# Allegro board HB1A-AAFM.brd (continued)
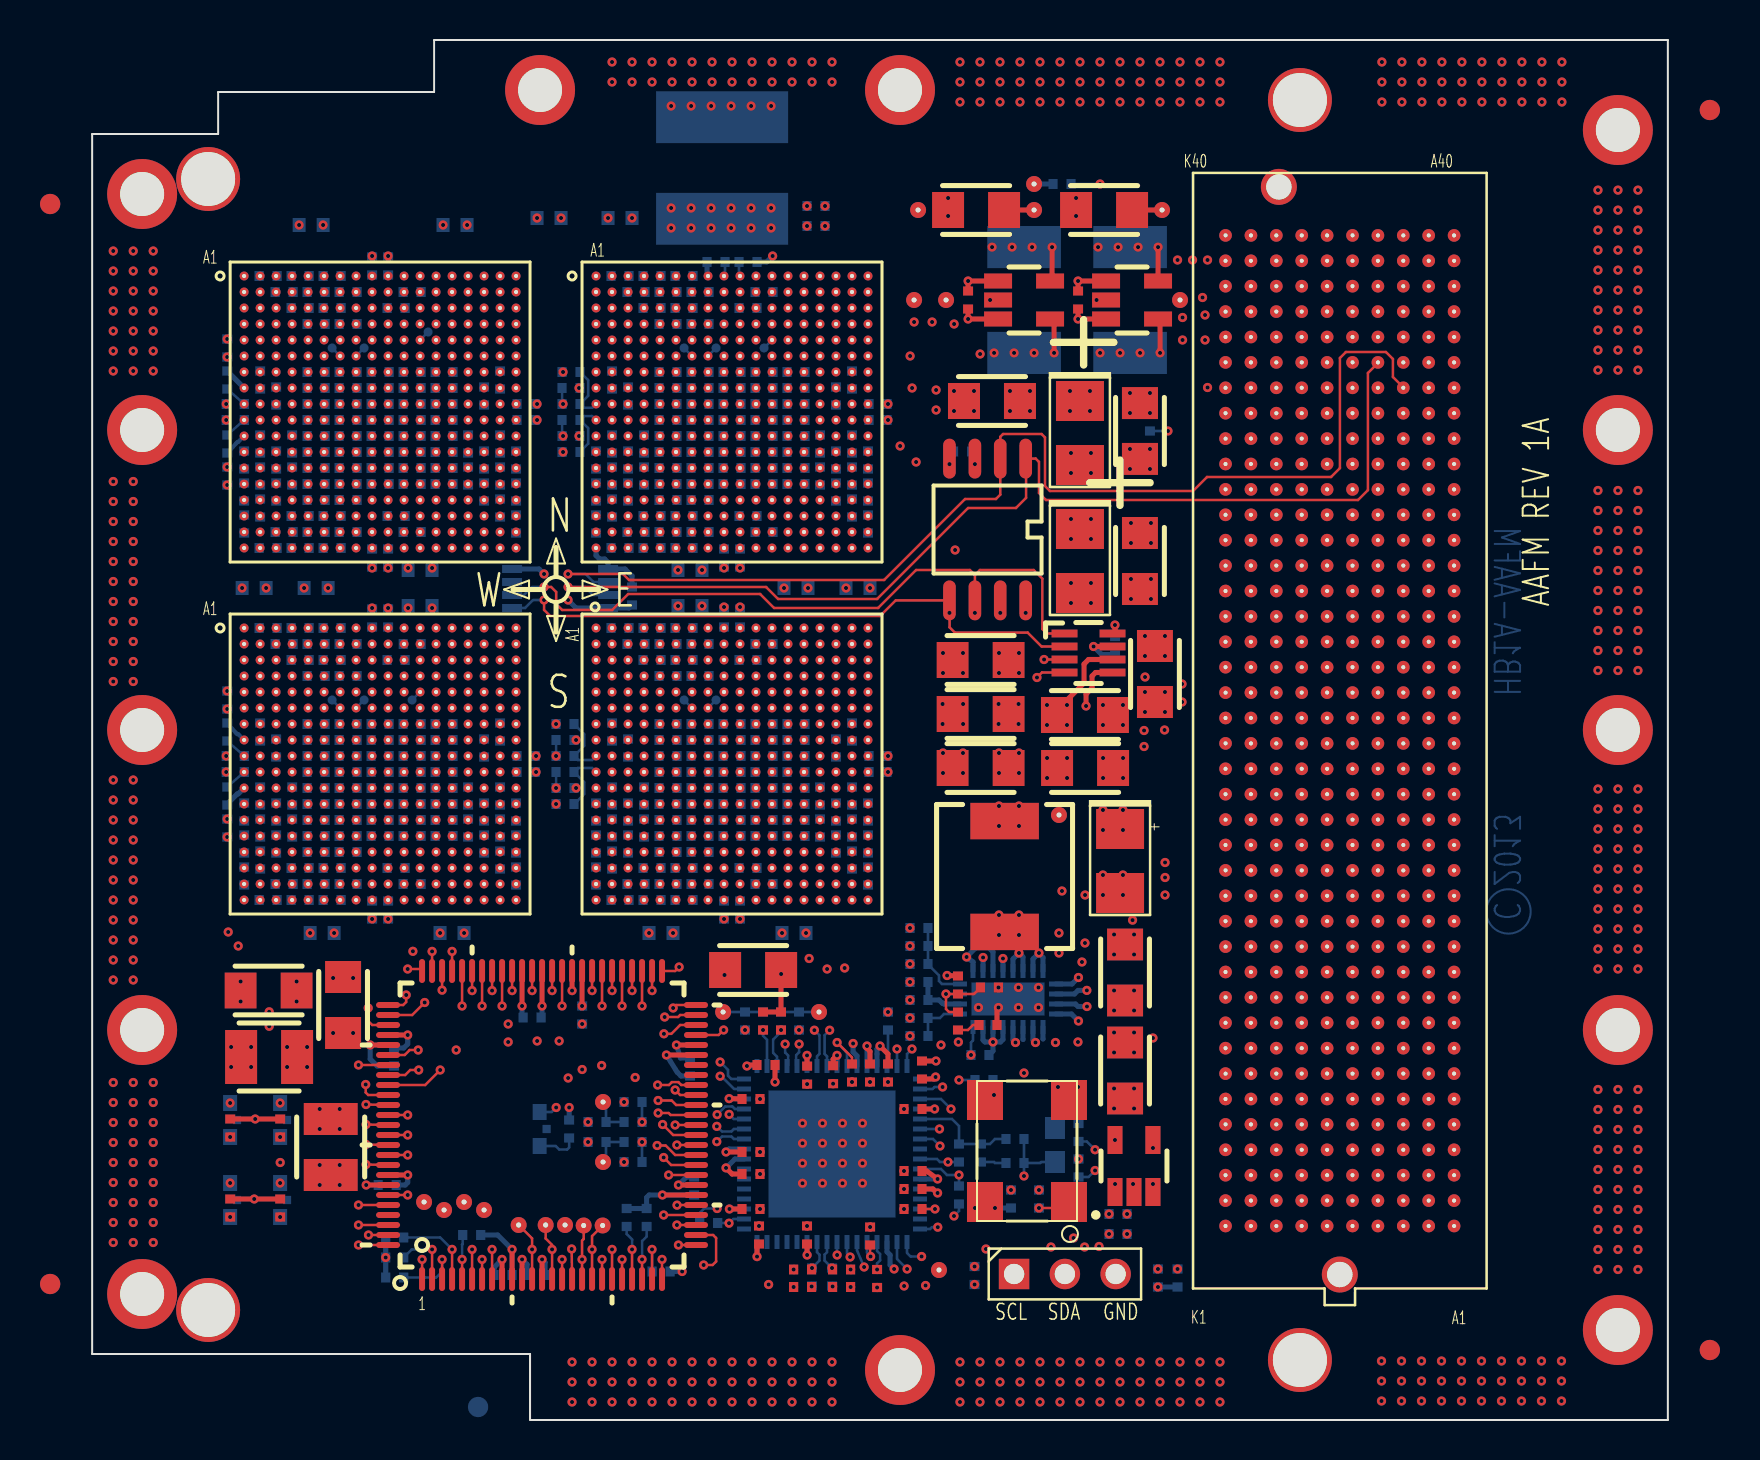
[diagram p0: board, top side]
## Routing (per net, layer and track width the routed paths; a pad name or vN(x,y) marks a point on that pad's centre or on a via; arc(x,y) is an arc through that point) (continued)
LL_LR_EW_DATA_N_6: length 28.5
  SIGNAL_L5-X w0.114: U8.N3 26.4,30.4 26.4,31.68 26.4,35 26.6,35.2 27,35.2 27.2,35 27.2,34.6 27.4,34.4 27.8,34.4 28,34.2 28,33 28.2,32.8 28.6,32.8 28.8,32.6 28.8,32.2 29,32 29.4,32 29.6,32.2 29.6,33.4 29.4,33.6 29,33.6 28.8,33.8 28.8,34.2 28.6,34.4 28.2,34.4 28.02,34.59 28.02,34.98 27.8,35.2 27.4,35.2 27.2,35.4 27.2,35.8 27,36 26.6,36 26.4,36.2 26.4,36.6 26.2,36.8 25.8,36.8 25.6,37 25.6,37.4 25.4,37.6 25,37.6 24.7,37.3 24.5,37.3 24.4,37.4 24.4,39.17 24.38,39.19 ; 24.38,39.19 23.67,39.9 22.72,39.9 21.94,39.12 21.94,38.14 21.4,37.6 20.8,37.6 U7.C17 ; 24.38,39.19 24.24,39.33
LL_LR_EW_DATA_N_7: length 29.2
  SIGNAL_L5-X w0.114: U8.M4 28,30.6 28.2,30.4 28.6,30.4 28.8,30.2 28.8,29.8 29,29.6 31,29.6 31.2,29.4 31.2,28.2 31.4,28 31.8,28 32,28.2 32,29.4 32.2,29.6 32.6,29.6 32.8,29.8 32.8,31.8 32.6,32 32.2,32 32,32.2 32,32.6 31.8,32.8 31.4,32.8 31.2,33 31.2,33.4 31,33.6 30.6,33.6 30.4,33.8 30.4,34.2 30.2,34.4 29.8,34.4 29.6,34.6 29.6,35 29.4,35.2 29,35.2 28.8,35.4 28.8,35.8 28.6,36 28.2,36 28,36.2 28,36.6 27.8,36.8 27.4,36.8 27.2,37 27.2,37.4 27,37.6 26.6,37.6 26.4,37.8 26.4,38.2 26.2,38.4 25.8,38.4 25.6,38.6 25.6,39 25.4,39.2 25,39.2 24.5,39.7 24.5,40 24,40.5 22.4,40.5 21.7,39.8 21.7,39.5 21.5,39.3 21.5,39.1 U7.B18
LL_LR_EW_DATA_P_0: length 29.3
  SIGNAL_L5-X w0.114: U7.H15 19.2,33.6 21.4,33.6 21.59,33.41 21.59,30.59 21.4,30.4 21.01,30.4 20.8,30.19 20.8,29.8 21,29.6 21.38,29.6 21.59,29.4 21.59,28.98 21.4,28.8 21,28.8 20.8,28.6 20.8,28.2 21,28 21.38,28 21.59,27.8 21.59,27.39 21.4,27.2 21,27.2 20.8,27 20.8,26.6 21,26.4 21.38,26.4 21.59,26.2 21.59,25.8 21.4,25.61 20.37,25.61 20.2,25.45 20.2,25.2 20.35,25.05 22.15,25.05 22.25,24.95 22.25,24.75 22.15,24.65 20.35,24.65 20.21,24.51 20.21,24.34 20.35,24.2 24.6,24.2 24.9,24.5 24.9,25.05 25,25.15 25.25,25.15 25.35,25.25 25.35,25.45 25.2,25.6 24.95,25.6 24.8,25.75 24.8,27.2 U8.T1
LL_LR_EW_DATA_P_1: length 29
  SIGNAL_L5-X w0.114: U7.G16 19.2,35.2 17.8,35.2 17.6,35 17.6,32.2 17.8,32 19.8,32 20,31.8 20,31.4 19.8,31.2 19.4,31.2 19.2,31 19.2,30.6 19,30.4 18.6,30.4 18.4,30.2 18.4,25.6 18.65,25.35 19.05,25.35 19.53,24.87 19.53,24.18 19.95,23.76 24.96,23.76 25.21,24.01 26.21,24.01 26.85,24.65 26.85,25.3 26.4,25.75 26.4,28 U8.R2
LL_LR_EW_DATA_P_2: length 28.5
  SIGNAL_L8-X w0.089: U7.F17 20.8,35.4 21,35.2 21.4,35.2 22.74,36.54 22.74,38.33 22.91,38.5 23.5,38.5 23.7,38.3 23.7,36.17 22.55,35.03 22.55,33.85 22.81,33.59 22.81,32.09 22.24,31.53 22.24,30.84 22.04,30.64 22.04,25.6 22.35,25.29 24.41,25.29 24.81,25.7 24.81,29.41 25,29.6 26.2,29.6 26.4,29.4 U8.P3
LL_LR_EW_DATA_P_3: length 29.4
  SIGNAL_L8-X w0.089: U8.N4 27.2,30.4 26.6,30.4 26.4,30.6 26.4,31 26.2,31.2 24.95,31.2 24.81,31.07 24.81,30.48 23.59,29.25 23.59,26.84 23.35,26.6 22.9,26.6 22.7,26.8 22.7,27.59 22.91,27.8 22.91,28.4 22.7,28.61 22.7,29.25 22.85,29.4 23.1,29.4 23.2,29.5 23.2,29.7 23.09,29.81 22.89,29.81 22.8,29.89 22.8,30.1 23.1,30.4 23.6,30.4 23.81,30.61 23.81,32.41 24.03,32.62 24.03,33.23 24.59,33.8 24.59,38.02 24.36,38.25 24.36,38.74 23.37,39.73 22.87,39.73 22.08,38.94 22.08,36.97 21.51,36.4 U7.E18
LL_LR_EW_DATA_P_4: length 29.4
  SIGNAL_L8-X w0.089: U7.F15 19.2,35.2 20.6,35.2 20.8,35 20.8,34.6 21,34.4 21.45,34.4 21.8,34.75 21.8,35.2 23,36.4 23,37.4 23.12,37.51 23.39,37.51 23.48,37.42 23.48,36.4 22.3,35.23 22.3,33.7 22.59,33.41 22.59,32.19 22.02,31.62 22.02,30.94 21.82,30.73 21.82,25.51 22.26,25.07 24.5,25.07 24.97,25.54 25.41,25.54 25.62,25.75 25.62,27.01 25.8,27.2 26.2,27.2 26.41,27.4 26.41,27.8 26.2,28 25.81,28 25.62,28.2 25.62,28.79 U8.P1
LL_LR_EW_DATA_P_5: length 29.3
  SIGNAL_L8-X w0.089: U8.N2 25.6,30.4 25.05,30.4 23.81,29.16 23.81,28.94 23.93,28.82 24.23,28.82 24.35,28.7 24.35,28.46 24.23,28.34 23.93,28.34 23.81,28.22 23.81,27.98 23.93,27.86 24.23,27.86 24.35,27.74 24.35,27.5 24.23,27.38 23.93,27.38 23.81,27.26 23.81,26.61 23.5,26.3 22.7,26.3 22.48,26.52 22.48,30.44 22.73,30.7 22.73,31 22.93,31.2 23.41,31.2 23.59,31.39 23.59,32.53 23.81,32.75 23.81,34.26 24.14,34.59 24.14,38.62 23.31,39.45 22.9,39.45 22.67,39.22 22.67,39.22 22.3,38.85 22.3,36.8 21.52,36.02 19.98,36.02 U7.E16
LL_LR_EW_DATA_P_6: length 28.4
  SIGNAL_L8-X w0.089: U7.D17 20.41,37.2 20.41,36.9 20.5,36.8 21.5,36.8 21.86,37.16 21.86,37.6 21.6,37.85 21.6,38.1 21.86,38.35 21.86,39.03 22.82,40 23.45,40 24.58,38.87 24.58,38.42 24.81,38.19 24.81,37.78 25,37.6 25.4,37.6 25.6,37.4 25.6,37 25.8,36.8 26.2,36.8 26.4,36.6 26.4,36.2 26.6,36 27,36 27.2,35.8 27.2,35.4 27,35.2 26.6,35.2 26.4,35.4 26.4,35.8 26.2,36 25.8,36 25.6,36.2 25.6,36.6 25.4,36.8 25,36.8 24.81,36.62 24.81,36.19 25,36 25.41,36 25.6,35.8 25.6,35.4 25.41,35.2 25.02,35.2 24.81,35 24.81,33.79 25,33.6 25.41,33.6 25.6,33.4 25.6,33 25.41,32.8 24.91,32.8 24.8,32.9 24.8,33.1 24.64,33.26 24.48,33.26 24.3,33.09 24.3,32.9 24.52,32.68 24.52,32.52 24.3,32.3 24.3,32.1 24.58,31.82 24.88,31.82 25.05,32 26.2,32 26.4,31.8 26.4,31.4 26.6,31.2 26.7,31.2 26.8,31.11 U8.M3
LL_LR_EW_DATA_P_7: length 29.3
  SIGNAL_L5-X w0.114: U7.C18 21.72,38.52 21.72,39.21 22.63,40.12 23.76,40.12 24.33,39.55 24.62,39.26 24.62,38.68 24.9,38.4 25.4,38.4 25.6,38.2 25.6,37.8 25.8,37.6 26.2,37.6 26.4,37.4 26.4,37 26.6,36.8 27,36.8 27.2,36.6 27.2,36.2 27.4,36 27.8,36 28,35.8 28,35.4 28.2,35.2 28.6,35.2 28.8,35 28.8,34.6 29,34.4 29.4,34.4 29.6,34.2 29.6,33.8 29.8,33.6 30.2,33.6 30.4,33.4 30.4,33 30.6,32.8 31,32.8 31.2,32.6 31.2,32.2 31.4,32 31.8,32 32,31.8 32,29.8 31.8,29.6 31.4,29.6 31.2,29.8 31.2,31.8 31,32 30.6,32 30.4,31.8 30.4,30.6 30.2,30.4 29.8,30.4 29.6,30.6 29.6,31.1 29.5,31.2 29,31.2 28.8,31.4 28.8,31.8 28.6,32 27.7,32 27.6,31.9 U8.L4
LL_LR_EW_FRAME_N: length 30.4
  SIGNAL_L8-X w0.089: U8.M2 26.2,30.4 26.4,30.2 26.4,29.8 26.6,29.6 27,29.6 27.2,29.4 27.2,28.95 27.05,28.8 26.55,28.8 26.4,28.65 26.4,28.15 26.55,28 27.05,28 27.2,27.85 27.2,27.35 27.05,27.2 26.55,27.2 26.4,27.05 26.4,26.55 26.55,26.4 27.05,26.4 27.2,26.25 27.2,25.6 26.55,24.95 25.6,24.95 25.25,25.3 25.05,25.3 24.6,24.85 22.1,24.85 21.4,25.55 21.05,25.55 20.8,25.8 20.8,26.2 21,26.4 21.45,26.4 21.6,26.55 21.6,27.05 21.45,27.2 20.95,27.2 20.8,27.35 20.8,27.85 20.95,28 21.45,28 21.6,28.15 21.6,28.65 21.45,28.8 20.95,28.8 20.8,28.95 20.8,29.45 20.95,29.6 21.45,29.6 21.6,29.75 21.6,30.25 21.45,30.4 20.95,30.4 20.8,30.55 20.8,31 20.98,31.18 21.37,31.18 21.59,31.4 21.59,32.61 21.4,32.8 21,32.8 20.8,33 20.8,33.4 20.6,33.6 19.4,33.6 19.2,33.4 U7.J15
LL_LR_EW_FRAME_P: length 30.4
  SIGNAL_L12-X w0.089: U8.L2 26.4,31.4 26.6,31.2 27,31.2 27.2,31 27.2,30.6 27,30.4 26.6,30.4 26.41,30.2 26.41,29.8 26.6,29.6 27,29.6 27.2,29.41 27.2,29 27,28.8 26.6,28.8 26.41,28.6 26.41,28.2 26.6,28 27,28 27.2,27.8 27.2,27.4 27,27.2 26.6,27.2 26.41,27 26.41,26.6 26.6,26.4 27,26.4 27.2,26.2 27.2,25.8 26.95,25.55 26.55,25.55 25.41,24.41 19.77,24.41 19.05,25.12 18.23,25.12 17.6,25.75 17.6,26.2 17.41,26.4 17,26.4 16.8,26.6 16.8,27 17,27.2 17.4,27.2 17.6,27.4 17.6,27.8 17.4,28 17,28 16.8,28.2 16.8,31 17,31.2 17.41,31.2 17.6,31.4 17.6,31.8 17.8,32 18.2,32 18.41,32.2 U7.K15
LL_LR_EW_LCLK_N: length 30.4
  SIGNAL_L8-X w0.089: U8.N1 24.85,29.8 24.59,29.55 24.59,27.1 24.48,26.98 24.15,26.98 24.03,26.86 24.03,26.62 24.15,26.5 24.48,26.5 24.59,26.38 24.59,25.79 24.38,25.58 24.22,25.58 24.1,25.7 24.1,26 24.1,26.1 23.96,26.24 23.79,26.24 23.65,26.1 23.65,25.65 23.51,25.51 23.3,25.51 23.2,25.6 23.2,25.98 23.1,26.08 22.88,26.08 22.8,26 22.8,25.71 22.6,25.51 22.44,25.51 22.26,25.69 22.26,30.53 22.52,30.79 22.52,31.48 23.24,32.2 23.24,32.6 23.59,32.95 23.59,33.59 23.47,33.71 23.23,33.71 23.1,33.83 23.1,34.07 23.23,34.19 23.47,34.19 23.59,34.31 23.59,34.51 23.92,34.84 23.92,35 23.72,35.2 23.5,35.2 23.35,35.35 23.35,35.52 23.54,35.7 23.8,35.7 23.92,35.81 23.92,38.53 23.31,39.14 22.91,39.14 22.76,39 22.76,39 22.52,38.76 22.52,36.67 21.6,35.75 U7.F18
LL_LR_EW_LCLK_P: length 30.4
  SIGNAL_L12-X w0.089: U8.M1 24.81,31.19 24.81,31.9 24.61,32.1 24.61,32.8 24.7,32.9 24.91,32.9 25,32.8 25.41,32.8 25.6,33 25.6,33.4 25.8,33.6 26.2,33.6 26.41,33.8 26.41,34.2 26.6,34.4 27,34.4 27.2,34.2 27.2,33.8 27.4,33.6 29.4,33.6 29.6,33.8 29.6,34.2 29.4,34.4 29,34.4 28.8,34.6 28.8,35 28.6,35.2 28.2,35.2 28,35.4 28,35.8 27.8,36 27.4,36 27.2,36.2 27.2,36.6 27,36.8 26.6,36.8 26.4,37 26.4,37.4 26.2,37.6 25,37.6 24.8,37.8 24.8,39.08 23.61,40.28 22.89,40.28 21.6,38.99 21.6,38.6 21.4,38.4 21,38.4 20.8,38.2 20.8,37.8 21,37.6 21.41,37.6 21.6,37.41 21.6,37 21.4,36.8 20.2,36.8 20,36.6 20,36.2 20.2,36 21.34,36 21.59,35.76 21.59,35.19 U7.G18
LL_LR_EW_RD_WAIT_N: length 31.4
  SIGNAL_L12-X w0.089: U8.K2 25.6,32 25.6,31.4 25.8,31.2 26.2,31.2 26.4,31 26.4,30.6 26.2,30.4 25.8,30.4 25.6,30.2 25.6,29.8 25.8,29.6 26.2,29.6 26.4,29.4 26.4,29 26.2,28.8 25.8,28.8 25.6,28.6 25.6,28.2 25.8,28 26.15,28 26.4,27.75 26.4,27.4 26.2,27.2 25.8,27.2 25.6,27 25.6,26.6 25.8,26.4 26.2,26.4 26.4,26.2 26.4,25.8 25.23,24.63 19.86,24.63 19.14,25.34 18.81,25.34 18.4,25.75 18.4,28.61 18.2,28.8 17.8,28.8 17.6,29 17.6,31 17.8,31.2 18.2,31.2 18.41,31.4 18.41,31.8 18.6,32 19.8,32 20,32.2 20,34.41 U7.G17
LL_LR_EW_RD_WAIT_P: length 31.4
  SIGNAL_L12-X w0.089: U8.J2 26.41,33.4 26.6,33.6 27,33.6 27.2,33.4 27.2,33 27.4,32.8 30.2,32.8 30.4,33 30.4,34.2 30.2,34.4 29.8,34.4 29.6,34.6 29.6,34.95 29.35,35.2 29,35.2 28.8,35.4 28.8,35.8 28.6,36 28.2,36 28,36.2 28,36.6 27.8,36.8 27.4,36.8 27.2,37 27.2,37.4 27,37.6 26.6,37.6 26.4,37.8 26.4,38.2 26.2,38.4 25.8,38.4 25.6,38.6 25.6,39 25.4,39.2 25,39.2 24.7,39.49 24.7,39.8 24,40.5 22.3,40.5 21.6,39.8 21.6,39.41 21.4,39.2 21,39.2 20.8,39 20.8,38.6 20.6,38.4 20.2,38.4 20,38.2 20,37.8 19.8,37.6 19.4,37.6 19.2,37.4 19.2,37 19,36.8 18.6,36.8 18.41,36.6 18.41,36.2 18.2,36 17.8,36 17.6,35.8 17.6,35.4 17.8,35.2 20.6,35.2 20.8,35 20.8,34.4 U7.H17
LL_LR_EW_WR_WAIT_N: length 29.3
  SIGNAL_L15-X w0.114: U8.L3 27.2,31.4 27.4,31.2 28.6,31.2 28.8,31 28.8,25.5 28.3,24.99 27.71,24.99 27.09,24.38 27.09,24.04 26.59,23.54 21.25,23.54 21,23.79 19.85,23.79 19.15,24.49 19.15,25.05 18.4,25.8 18.4,30.2 18.6,30.4 19,30.4 19.2,30.6 19.2,33.6 U7.H16
LL_LR_EW_WR_WAIT_P: length 29.5
  SIGNAL_L8-X w0.089: U8.K3 27.2,32.2 27.4,32 27.8,32 28,31.8 28,31.4 28.2,31.2 28.6,31.2 28.8,31 28.8,29 28.6,28.8 28.2,28.8 28,28.6 28,28.2 28.2,28 28.6,28 28.8,27.8 28.8,25.75 28.33,25.28 27.84,25.28 27.84,25.28 27.5,25.28 26.63,24.41 21.92,24.41 21.22,25.11 20.87,25.11 20.65,25.33 20.16,25.33 19.94,25.55 19.45,25.55 19.2,25.8 19.2,31 19.4,31.2 20.6,31.2 20.8,31.4 20.8,32.6 20.6,32.8 20.2,32.8 20,33 U7.J16
LL_RESET_L: length 34.5
  TOP w0.127: U9.4 v1(18,8.53)
  SIGNAL_L8-X w0.089: v1(18.2,18.5) 18.2,19.3 17.7,19.81 15.7,19.81 15.3,20.2 15.3,23.42 16,24.12 16,35.2 15.6,35.6 U7.F11
  SIGNAL_L11-Y w0.089: TP25.1 18.6,9.8 18,9.2 v1(18,8.53)
  SIGNAL_L12-X w0.089: TP25.1 18.2,11.29 v1(18.2,18.5)
  BOTTOM w0.127: R200.2 17.41,9.12 v1(18,8.53)
LL_SCLKI_XID1: length 18.1
  TOP w0.127: v1(13.8,20.6) 13.8,19.95 14,19.75 U9.78
  SIGNAL_L12-X w0.089: v1(13.8,20.6) 13.8,22.5 12.8,23.5 12.8,36 13.2,36.4 U7.E8
LL_SCLKO_YID1: length 24.1
  TOP w0.127: v1(17.41,17.5) 16.66,16.75 U9.84
  SIGNAL_L8-X w0.089: U7.E11 15.6,36.4 15.2,36 15.2,24.4 14.91,24.1 14.91,19.25 15.38,18.77 15.95,18.77 16.16,18.98 16.5,18.98 17.41,18.07 v1(17.41,17.5)
LL_SDI_XID2: length 20.3
  TOP w0.127: U9.81 15.63,18.25 15.88,18.5 v1(16.3,18.5)
  SIGNAL_L8-X w0.089: U7.F10 14.8,35.59 14.41,35.2 14.41,19.32 15.23,18.5 v1(16.3,18.5)
LL_SDO_YID2: length 21.8
  TOP w0.127: v1(13.68,16.77) 13.68,16.38 13.8,16.25 U9.85
  SIGNAL_L12-X w0.089: v1(13.68,16.77) 14.3,17.75 14.3,22.8 13.6,23.5 13.6,36 14,36.4 U7.E9
LL_UL_NS_DATA_N_0: length 29.1
  SIGNAL_L15-X w0.114: U3.V3 8.8,43.2 7.35,43.2 7.2,43.35 7.2,43.6 7.05,43.75 6.85,43.75 6.4,43.3 6.1,43.3 5.8,43 5.8,38.75 5.94,38.61 6.11,38.61 6.25,38.75 6.25,40.55 6.35,40.65 6.55,40.65 6.65,40.55 6.65,38.75 6.8,38.6 7.05,38.6 7.21,38.77 7.21,39.8 7.4,39.98 7.8,39.98 8,39.78 8,39.4 8.2,39.2 8.6,39.2 8.8,39.4 8.8,39.8 8.98,39.98 9.4,39.98 9.6,39.78 9.6,39.4 9.8,39.2 10.2,39.2 10.4,39.4 10.4,39.8 10.59,39.98 11,39.98 11.2,39.78 11.2,39.4 11.4,39.2 11.79,39.2 12,39.41 12,39.8 12.18,39.98 15.02,39.98 15.2,39.8 15.2,37.6 U7.D11
LL_UL_NS_DATA_N_1: length 29.1
  SIGNAL_L15-X w0.114: U7.C12 16.8,37.6 16.8,36.89 16.7,36.8 16.24,36.8 16.01,36.56 16.01,36.16 15.84,36 13.8,36 13.6,36.2 13.6,38.2 13.4,38.4 13,38.4 12.8,38.2 12.8,37.8 12.6,37.6 12.2,37.6 12,37.4 12,37 11.8,36.8 6.98,36.8 5.36,38.42 5.36,43.36 5.61,43.61 5.61,44.41 6,44.8 6.36,44.8 6.48,44.92 6.48,45.3 6.6,45.42 6.84,45.42 6.96,45.3 6.96,44.92 7.08,44.8 9.6,44.8 U3.U4
LL_UL_NS_DATA_N_2: length 29.1
  SIGNAL_L12-X w0.089: U7.B13 17,39.2 16.8,39.4 16.8,39.8 18.14,41.14 20.26,41.14 20.52,41.4 20.52,41.62 20.04,42.1 17.8,42.1 17.47,41.77 16.12,41.77 15.62,41.27 13.1,41.27 12.27,40.44 7.2,40.44 6.89,40.75 6.89,41.92 7.08,42.11 7.08,42.27 6.89,42.46 6.89,42.82 7.28,43.22 11.02,43.22 11.2,43.4 11.2,44.8 U3.T5
LL_UL_NS_DATA_N_3: length 29.4
  SIGNAL_L12-X w0.089: U3.R6 12,45.6 12,45 12.2,44.8 12.6,44.8 12.8,44.6 12.8,43.35 11.44,41.99 8.39,41.99 8.2,41.8 8.2,41.3 8.4,41.1 9.19,41.1 9.31,41.22 9.31,41.48 9.43,41.6 9.67,41.6 9.79,41.48 9.79,41.22 9.91,41.1 10.1,41.1 10.21,41.21 12.02,41.21 12.73,41.93 15,41.93 15.25,42.18 15.25,42.7 15.55,42.99 17.8,42.99 18.04,42.76 20.34,42.76 21.33,41.77 21.33,41.27 20.54,40.48 18.56,40.48 18,39.91 U7.A14
LL_UL_NS_DATA_N_4: length 29.1
  SIGNAL_L12-X w0.089: U7.D13 16.8,37.6 16.8,39 16.6,39.2 16.2,39.2 16,39.4 16,39.85 16.35,40.2 16.35,40.7 16.64,40.99 17.63,40.99 18,41.36 19.36,41.36 19.5,41.5 19.5,41.75 19.37,41.88 17.9,41.88 17.57,41.55 16.3,41.55 15.8,41.05 13.23,41.05 12.41,40.22 7.11,40.22 6.67,40.66 6.67,42.91 7.15,43.39 7.15,43.81 7.34,44 10.4,44 U3.V5
LL_UL_NS_DATA_N_5: length 29.4
  SIGNAL_L12-X w0.089: U7.C14 17.6,38.4 17.6,39.9 18.4,40.7 20.45,40.7 20.82,41.07 20.82,41.07 21.05,41.3 21.05,41.71 20.22,42.54 17.55,42.54 17.22,42.21 15.76,42.21 15.26,41.71 12.91,41.71 12.2,40.99 10.41,40.99 10.3,40.88 8.05,40.88 7.9,41.03 7.9,42.05 8.06,42.21 8.86,42.21 8.98,42.33 8.98,42.63 9.1,42.75 9.34,42.75 9.46,42.63 9.46,42.33 9.58,42.21 9.82,42.21 9.94,42.33 9.94,42.63 10.06,42.75 10.3,42.75 10.42,42.63 10.42,42.33 10.54,42.21 11.27,42.21 11.98,42.93 11.98,44.02 U3.U6
LL_UL_NS_DATA_N_6: length 29.1
  SIGNAL_L11-Y w0.089: U3.T7 12.8,44.8 12.8,43.4 13.2,43 17.8,43 18.1,42.7 18.1,42.4 17.91,42.21 13.71,42.21 13.6,42.1 13.6,41.7 13.7,41.6 17.8,41.6 18,41.4 18,41.2 17.8,41 13.7,41 13.5,40.8 13.5,40.4 13.7,40.2 18.2,40.2 18.4,40 18.4,39.2 U7.B15
LL_UL_NS_DATA_N_7: length 29.3
  SIGNAL_L15-X w0.114: U7.A16 20.12,40.12 20.81,40.12 21.72,41.03 21.72,42.16 20.86,43.02 20.18,43.02 20,43.2 20,43.8 19.8,44 19.4,44 19.2,44.2 19.2,44.6 19,44.8 18.6,44.8 18.4,45 18.4,45.4 18.2,45.6 17.8,45.6 17.6,45.8 17.6,46.2 17.4,46.4 17,46.4 16.8,46.6 16.8,47 16.6,47.2 16.2,47.2 16,47.4 16,47.8 15.8,48 15.4,48 15.2,48.2 15.2,48.6 15,48.8 14.6,48.8 14.4,49 14.4,49.4 14.2,49.6 13.8,49.6 13.6,49.8 13.6,50.2 13.4,50.4 11.4,50.4 11.2,50.2 11.2,49.8 11.4,49.6 13.4,49.6 13.6,49.4 13.6,49 13.4,48.8 12.2,48.8 12,48.6 12,48.2 12.2,48 12.7,48 12.8,47.9 12.8,47.4 13,47.2 13.4,47.2 13.6,47 13.6,46.09 13.5,46 U3.R8
LL_UL_NS_DATA_P_0: length 29.1
  SIGNAL_L15-X w0.114: U7.D12 15.77,36.8 15.74,36.8 14.6,36.8 14.4,37 14.4,39 14.2,39.2 12.2,39.2 12,39 12,37.83 11.77,37.6 11.4,37.6 11.2,37.8 11.2,39 11,39.2 10.6,39.2 10.4,39 10.4,37.8 10.2,37.6 9.8,37.6 9.6,37.8 9.6,39 9.4,39.2 9,39.2 8.8,39 8.8,37.8 8.6,37.6 6.58,37.6 5.58,38.6 5.58,43.18 5.83,43.43 5.83,44.18 6.15,44.5 6.45,44.5 6.95,44 8,44 U3.V2
LL_UL_NS_DATA_P_1: length 29.3
  SIGNAL_L15-X w0.114: U3.U3 9.6,44 9.6,43.3 9.28,42.98 6.18,42.98 6.09,42.9 6.09,42.7 6.2,42.6 6.78,42.6 6.88,42.5 6.88,42.28 6.8,42.2 6.2,42.2 6.1,42.1 6.1,41.9 6.2,41.8 6.78,41.8 6.88,41.7 6.88,41.48 6.8,41.4 6.2,41.4 6.1,41.3 6.1,41.13 6.21,41.02 6.78,41.02 7,40.8 7,40.35 7.14,40.2 7.3,40.2 7.55,40.45 7.75,40.45 7.99,40.2 8.14,40.2 8.38,40.45 8.62,40.45 8.87,40.2 9.08,40.2 9.32,40.45 9.56,40.45 9.81,40.2 10.04,40.2 10.28,40.45 10.52,40.45 10.77,40.2 11,40.2 11.24,40.45 11.48,40.45 11.73,40.2 11.95,40.2 12.07,40.33 12.07,40.33 12.19,40.45 12.43,40.45 12.55,40.33 12.55,40.33 12.67,40.2 12.91,40.2 13.69,40.99 14.25,40.99 14.4,40.84 14.4,40.4 14.59,40.21 14.96,40.21 15.19,40.44 15.19,40.84 15.34,40.99 17.51,40.99 17.65,40.85 17.65,40.57 17.28,40.2 16.25,40.2 16,39.95 16,38.6 16.2,38.4 16.6,38.4 16.8,38.2 U7.C13
LL_UL_NS_DATA_P_2: length 29.1
  SIGNAL_L15-X w0.114: U7.B14 17.6,39.2 17.6,39.9 18.71,41.01 20.45,41.01 20.84,41.4 20.84,41.76 20.49,42.11 17.9,42.11 17.35,41.56 15.34,41.56 15.2,41.7 14.64,41.7 14.5,41.56 13.36,41.56 12.79,40.99 8.12,40.99 7.92,41.19 7.92,42.36 8.1,42.54 12.09,42.54 12.25,42.7 12.25,42.85 12.12,42.98 10.72,42.98 10.4,43.3 10.4,44.8 U3.T4
LL_UL_NS_DATA_P_3: length 29.2
  SIGNAL_L15-X w0.114: U3.R5 11.2,45.6 11.2,44.2 11.4,44 18.2,44 18.4,43.8 18.4,43.4 18.2,43.2 15.8,43.2 15.65,43.05 13.05,43.05 12.8,42.8 12.8,42.35 12.94,42.21 17.23,42.21 17.58,42.55 20.7,42.55 21.28,41.98 21.28,41.21 20.63,40.57 19.17,40.57 18.8,40.2 U7.A15
LL_UL_NS_DATA_P_4: length 29.3
  SIGNAL_L15-X w0.114: U3.V4 10,42.91 9.85,42.76 7.21,42.76 7.1,42.65 7.1,42.45 7.2,42.35 7.5,42.35 7.59,42.26 7.59,42.09 7.5,42 7.25,42 7.1,41.85 7.1,41.3 7.63,40.77 13.03,40.77 13.47,41.21 17.35,41.21 18.03,41.89 18.71,41.89 18.95,41.65 19.19,41.65 19.43,41.89 19.56,41.89 19.8,41.65 20.01,41.65 20.25,41.89 20.39,41.89 20.62,41.67 20.62,41.49 20.36,41.23 18.62,41.23 17.37,39.98 16.98,39.98 16.8,39.8 16.8,38.6 17,38.41 17.04,38.4 18.2,38.4 18.4,38.2 18.4,37.6 U7.D14
LL_UL_NS_DATA_P_5: length 29.3
  SIGNAL_L15-X w0.114: U3.U5 11,44 11.2,43.8 11.2,43.36 11.36,43.2 12.35,43.2 12.5,43.05 12.5,42.55 12.27,42.32 11.9,42.32 11.38,41.8 11.25,41.8 10.84,42.21 10.64,42.21 10.35,41.92 10.2,41.92 9.8,42.32 9.64,42.32 9.52,42.2 9.52,41.97 9.4,41.85 9.16,41.85 9.04,41.97 9.04,42.2 8.92,42.32 8.4,42.32 8.2,42.12 8.2,41.35 8.34,41.21 12.56,41.21 13.34,41.99 17.4,41.99 17.74,42.33 20.61,42.33 21.06,41.89 21.06,41.31 20.54,40.79 18.89,40.79 18.4,40.3 18.4,38.6 18.6,38.4 U7.C15
LL_UL_NS_DATA_P_6: length 29.1
  SIGNAL_L15-X w0.114: U7.B16 19.2,39.2 19.2,39.8 19.74,40.34 20.72,40.34 21.5,41.12 21.5,42.07 20.77,42.8 19.4,42.8 19.2,43 19.2,43.8 19,44 18.6,44 18.4,44.2 18.4,44.6 18.2,44.8 17.8,44.8 17.6,45 17.6,45.4 17.4,45.6 17,45.6 16.8,45.8 16.8,46.2 16.59,46.41 16.18,46.41 16,46.6 16,47 15.8,47.2 15.4,47.2 15.2,47.4 15.2,47.8 15,48 14.6,48 14.4,48.2 14.4,48.6 14.2,48.8 13.8,48.8 13.6,48.6 13.6,47.4 13.8,47.2 15,47.2 15.2,47 15.2,46.6 15.4,46.4 15.8,46.4 16,46.2 16,45.8 16.2,45.6 16.6,45.6 16.8,45.4 16.8,45 16.6,44.8 12,44.8 U3.T6
LL_UL_NS_DATA_P_7: length 29.4
  SIGNAL_L15-X w0.114: U7.A17 20.7,39.9 20.9,39.9 21.1,40.1 21.4,40.1 22.1,40.8 22.1,42.4 21.6,42.9 21.3,42.9 20.8,43.4 20.8,43.8 20.6,44 20.2,44 20,44.2 20,44.6 19.8,44.8 19.4,44.8 19.2,45 19.2,45.4 19,45.6 18.6,45.6 18.4,45.8 18.4,46.2 18.2,46.4 17.8,46.4 17.6,46.6 17.6,47 17.4,47.2 17,47.2 16.8,47.4 16.8,47.8 16.6,48 16.2,48 16,48.2 16,50.2 15.8,50.4 15.41,50.4 15.2,50.2 15.2,49.8 15,49.6 14.6,49.6 14.4,49.8 14.4,50.2 14.2,50.4 13.8,50.4 13.6,50.6 13.6,51 13.4,51.2 11.4,51.2 11.2,51 11.2,50.6 11,50.4 10.6,50.4 10.41,50.2 10.41,47.4 10.6,47.2 11.8,47.2 12,47 12,46.6 12.2,46.4 U3.R7
LL_UL_NS_FRAME_N: length 29.7
  SIGNAL_L8-X w0.089: U3.U8 13.6,44.8 13.6,46.2 13.41,46.38 7.38,46.38 5.79,44.79 5.79,35.47 6.2,35.05 7.15,35.05 7.3,35.2 12.6,35.2 12.8,35.4 12.8,35.8 13,36 13.41,36 13.6,36.2 13.6,36.6 13.8,36.8 U7.D9
LL_UL_NS_FRAME_P: length 29.4
  SIGNAL_L8-X w0.089: U3.U7 12,44.2 11.8,44 11.4,44 11.2,44.2 11.2,44.6 11,44.8 10.6,44.8 10.4,44.6 10.4,44.2 10.2,44 9.8,44 9.6,44.2 9.6,44.55 9.35,44.8 9,44.8 8.8,44.6 8.8,44.2 8.6,44 8.2,44 8,44.2 8,44.6 7.8,44.8 7.05,44.8 6.9,44.64 6.9,44.47 6.95,44.42 6.95,44.25 6.78,44.08 6.61,44.08 6.56,44.13 6.39,44.13 6.23,43.98 6.23,37.62 7.05,36.8 7.8,36.8 8,37 8,37.4 8.2,37.6 8.6,37.6 8.8,37.4 8.8,37 9,36.8 9.4,36.8 9.6,37 9.6,37.4 9.8,37.6 10.2,37.6 10.4,37.4 10.4,37 10.6,36.8 11,36.8 11.1,36.9 11.3,36.9 11.41,36.8 11.8,36.8 11.91,36.9 12.1,36.9 12.2,36.8 12.6,36.8 12.8,37 12.8,37.4 13,37.6 13.4,37.6 13.6,37.8 13.6,38.2 13.8,38.4 14.2,38.4 14.4,38.2 14.4,37.8 14.6,37.6 U7.D10
LL_UL_NS_LCLK_N: length 29.5
  SIGNAL_L8-X w0.089: U7.A12 16.8,39.2 16.8,38.6 16.6,38.4 16.2,38.4 16,38.2 16,37.8 16.2,37.6 16.6,37.6 16.8,37.4 16.8,36.95 16.95,36.8 17.4,36.8 17.6,37 17.6,37.4 17.8,37.6 18.2,37.6 18.4,37.8 18.4,38.2 18.6,38.4 19,38.4 19.2,38.6 19.2,39 19.4,39.2 19.8,39.2 20,39.4 20,39.8 20.2,40 20.59,40 21.88,41.29 21.88,42.01 20.69,43.2 20.2,43.2 20,43.4 20,43.8 19.8,44 19.4,44 19.2,44.2 19.2,44.6 19,44.8 18.6,44.8 18.4,45 18.4,45.4 18.2,45.6 17.8,45.6 17.6,45.8 17.6,46.2 17.4,46.4 15.4,46.4 15.2,46.2 15.2,45.8 15.4,45.6 15.8,45.6 16,45.4 16,44.2 15.8,44 15.4,44 15.2,43.8 15.2,43.4 14.8,42.99 12.66,42.99 12.4,43.25 U3.V7
LL_UL_NS_LCLK_P: length 29.3
  SIGNAL_L12-X w0.089: U3.V6 11.6,43.59 11.6,43.25 11.71,43.14 11.71,42.97 11.64,42.9 11.1,42.9 11,42.8 11,42.5 10.93,42.43 10.73,42.43 10.64,42.52 10.64,42.79 10.43,42.99 8.7,42.99 8.58,42.88 8.58,42.55 8.46,42.43 8.22,42.43 8.1,42.55 8.1,42.88 7.98,42.99 7.38,42.99 7.11,42.73 7.11,42.55 7.21,42.45 7.55,42.45 7.66,42.35 7.66,42.08 7.57,41.99 7.27,41.99 7.11,41.83 7.11,40.84 7.29,40.66 10.8,40.66 10.91,40.77 11.13,40.77 11.24,40.66 11.5,40.66 11.62,40.77 11.84,40.77 11.95,40.66 12.18,40.66 13.01,41.49 15.44,41.49 15.94,41.99 17.37,41.99 17.7,42.32 20.13,42.32 20.74,41.71 20.74,41.31 20.6,41.16 20.6,41.16 20.36,40.92 18.27,40.92 17.35,40 U7.A13
LL_UL_NS_RD_WAIT_N: length 29.9
  SIGNAL_L12-X w0.089: U3.U10 15.18,44.02 15.18,43.44 14.84,43.1 13.73,43.1 13.6,43.23 13.6,44.59 13.4,44.8 13,44.8 12.8,44.99 12.8,46.2 12.6,46.4 10.6,46.4 10.4,46.2 10.4,44.95 10.25,44.8 9.75,44.8 9.6,44.95 9.6,45.45 9.45,45.6 8.95,45.6 8.8,45.45 8.8,44.95 8.65,44.8 7.03,44.8 6.45,44.22 6.45,40.5 6.95,40 12.59,40 12.8,40.2 14.99,40.2 15.2,40 15.2,39.4 15.4,39.2 U7.B11
LL_UL_NS_RD_WAIT_P: length 29.9
  SIGNAL_L8-X w0.089: U7.B12 16,39.2 15.4,39.2 15.2,39 15.2,37 15.4,36.8 16.6,36.8 16.8,36.6 16.8,36.2 17,36 17.4,36 17.6,36.2 17.6,36.6 17.8,36.8 18.2,36.8 18.4,37 18.4,37.4 18.6,37.6 19,37.6 19.2,37.8 19.2,38.2 19.4,38.4 19.8,38.4 20,38.6 20,39 20.2,39.2 20.6,39.2 20.81,39.41 20.81,39.76 21.04,39.98 21.59,39.98 22.15,40.55 22.15,42.76 21.85,43.05 21.15,43.05 20.8,43.4 20.8,43.8 20.6,44 20.2,44 20,44.2 20,44.6 19.8,44.8 19.4,44.8 19.2,45 19.2,45.4 19,45.6 18.6,45.6 18.4,45.8 18.4,46.2 18.2,46.4 17.8,46.4 17.6,46.6 17.6,47 17.4,47.2 14.6,47.2 14.4,47 14.4,45 14.2,44.8 U3.U9
LL_UL_NS_WR_WAIT_N: length 31.4
  SIGNAL_L12-X w0.089: U3.T9 14.4,45.6 14.4,47.8 14.2,47.99 13,47.99 12.8,48.2 12.8,48.59 12.59,48.8 9,48.8 8.8,48.6 8.8,48.2 8.6,48 8.18,48 7.98,47.8 7.98,47.44 7.74,47.2 7.38,47.2 7.18,47 7.18,46.55 6.88,46.25 6.88,45.95 5.79,44.86 5.79,38.41 7.38,36.81 12.62,36.81 12.8,37 12.8,37.4 13,37.6 14.2,37.6 14.4,37.8 U7.C10
LL_UL_NS_WR_WAIT_P: length 31.4
  SIGNAL_L5-X w0.114: U3.T8 13,45.6 12.8,45.8 12.8,46.98 12.58,47.2 12.2,47.2 12,47.4 12,47.8 11.8,48 11.41,48 11.2,47.8 11.2,47.4 11,47.2 6.6,47.2 6.33,46.92 6.33,46.31 5.95,45.94 5.78,45.94 5.61,46.11 5.44,46.11 5.27,45.94 5.27,45.77 5.45,45.6 5.45,45.43 5.14,45.12 5.14,38.52 6.05,37.6 10.2,37.6 10.4,37.4 10.4,37 10.6,36.8 11.8,36.8 12,37 12,37.4 12.2,37.6 15.2,37.6 U7.C11
LL_UL_SN_DATA_N_0: length 55
  SIGNAL_L4-Y w0.114: U7.R12 16.8,28.8 16.8,29.4 17,29.6 21.4,29.6 21.59,29.79 21.59,57.45 20.91,58.12 17.45,58.12 17.13,57.8 16.85,57.8 16.73,57.92 16.73,58.43 16.61,58.55 16.37,58.55 16.25,58.43 16.25,57.92 16.13,57.8 15.91,57.8 15.79,57.92 15.79,58.43 15.67,58.55 15.43,58.55 15.31,58.43 15.31,57.92 15.19,57.8 13.61,57.8 13.49,57.92 13.49,58.43 13.37,58.55 13.13,58.55 13.01,58.43 13.01,57.92 12.89,57.8 12.65,57.8 12.53,57.92 12.53,58.43 12.41,58.55 12.17,58.55 12.05,58.43 12.05,57.92 11.93,57.8 11.7,57.8 11.5,58 11.35,58 11.2,57.85 11.2,56.2 11,56 8.9,56 8.8,56.1 8.8,56.8 U3.A2
LL_UL_SN_DATA_N_1: length 55.4
  SIGNAL_L11-Y w0.089: U3.B3 9.6,56.8 9.6,57.45 9.95,57.8 20.45,57.8 20.8,57.45 20.8,43.15 20.68,43.03 20.52,43.03 20.41,42.91 20.41,42.67 20.52,42.55 20.68,42.55 20.8,42.43 20.8,42.19 20.68,42.07 20.52,42.07 20.41,41.95 20.41,41.71 20.52,41.59 20.68,41.59 20.8,41.47 20.8,41.24 20.53,40.98 20.53,40.82 20.8,40.55 20.8,40.35 20.55,40.1 20.2,40.1 20,39.9 20,35.4 19.8,35.2 17.8,35.2 17.6,35 17.6,34.6 17.8,34.4 19.8,34.4 20,34.2 20,33.8 19.8,33.6 17.75,33.6 17.6,33.45 17.6,33 17.8,32.8 19.8,32.8 20,32.6 20,32.2 19.8,32 17.8,32 17.6,31.8 17.6,28 U7.T13
LL_UL_SN_DATA_N_2: length 55.1
  SIGNAL_L7-Y w0.089: U7.U14 18.4,26.4 18.4,25.6 17.8,25 15.5,25 15.15,24.65 13.55,24.65 13,25.2 10,25.2 9.6,25.6 9.6,27 9.4,27.2 6.8,27.2 5.75,28.25 5.75,40.12 5.88,40.24 6.21,40.24 6.33,40.36 6.33,40.6 6.21,40.72 5.88,40.72 5.75,40.84 5.75,41.27 6.27,41.8 6.98,41.8 7.1,41.91 7.1,42.16 6.98,42.27 6.48,42.27 6.36,42.4 6.36,42.63 6.48,42.76 6.98,42.76 7.1,42.88 7.1,43.12 6.98,43.23 6.48,43.23 6.25,43.46 6.25,52 6.48,52.23 6.55,52.29 6.55,52.71 6.33,52.92 6.33,54.42 6.45,54.55 6.98,54.55 7.13,54.4 8.6,54.4 8.8,54.6 8.8,55 8.6,55.2 7.41,55.2 7.2,55.4 7.2,55.8 7.41,56 9.6,56 U3.C4
LL_UL_SN_DATA_N_3: length 54.8
  SIGNAL_L4-Y w0.114: U3.D5 11.2,54.4 11.2,45.8 11,45.6 10.6,45.6 10.4,45.8 10.4,46.2 10.2,46.4 9.8,46.4 9.6,46.2 9.6,45.8 9.4,45.6 6.2,45.6 5.8,45.2 5.8,41.73 5.21,41.13 5.21,30.84 5.09,30.72 4.65,30.72 4.53,30.6 4.53,30.36 4.65,30.24 5.09,30.24 5.21,30.12 5.21,29.88 5.09,29.76 4.65,29.76 4.53,29.64 4.53,29.4 4.65,29.28 5.09,29.28 5.21,29.16 5.21,28.92 5.09,28.8 4.65,28.8 4.53,28.68 4.53,28.44 4.65,28.32 5.09,28.32 5.21,28.2 5.21,27.96 5.09,27.84 4.65,27.84 4.53,27.72 4.53,27.48 4.65,27.36 5.09,27.36 5.21,27.24 5.21,26.75 8.25,23.7 15.03,23.7 16.25,24.93 17.73,24.93 U7.V15